# Altium PCB Rcrd Brkr.PcbDoc
Units mil, origin at the board's own origin, x right, y up, seen from the top; angles counter-clockwise.
Board outline 2325 x 3865 mil, 2 copper layers (Top Layer, Bottom Layer); 76 components, 50 nets, 198 pads, 196 vias.
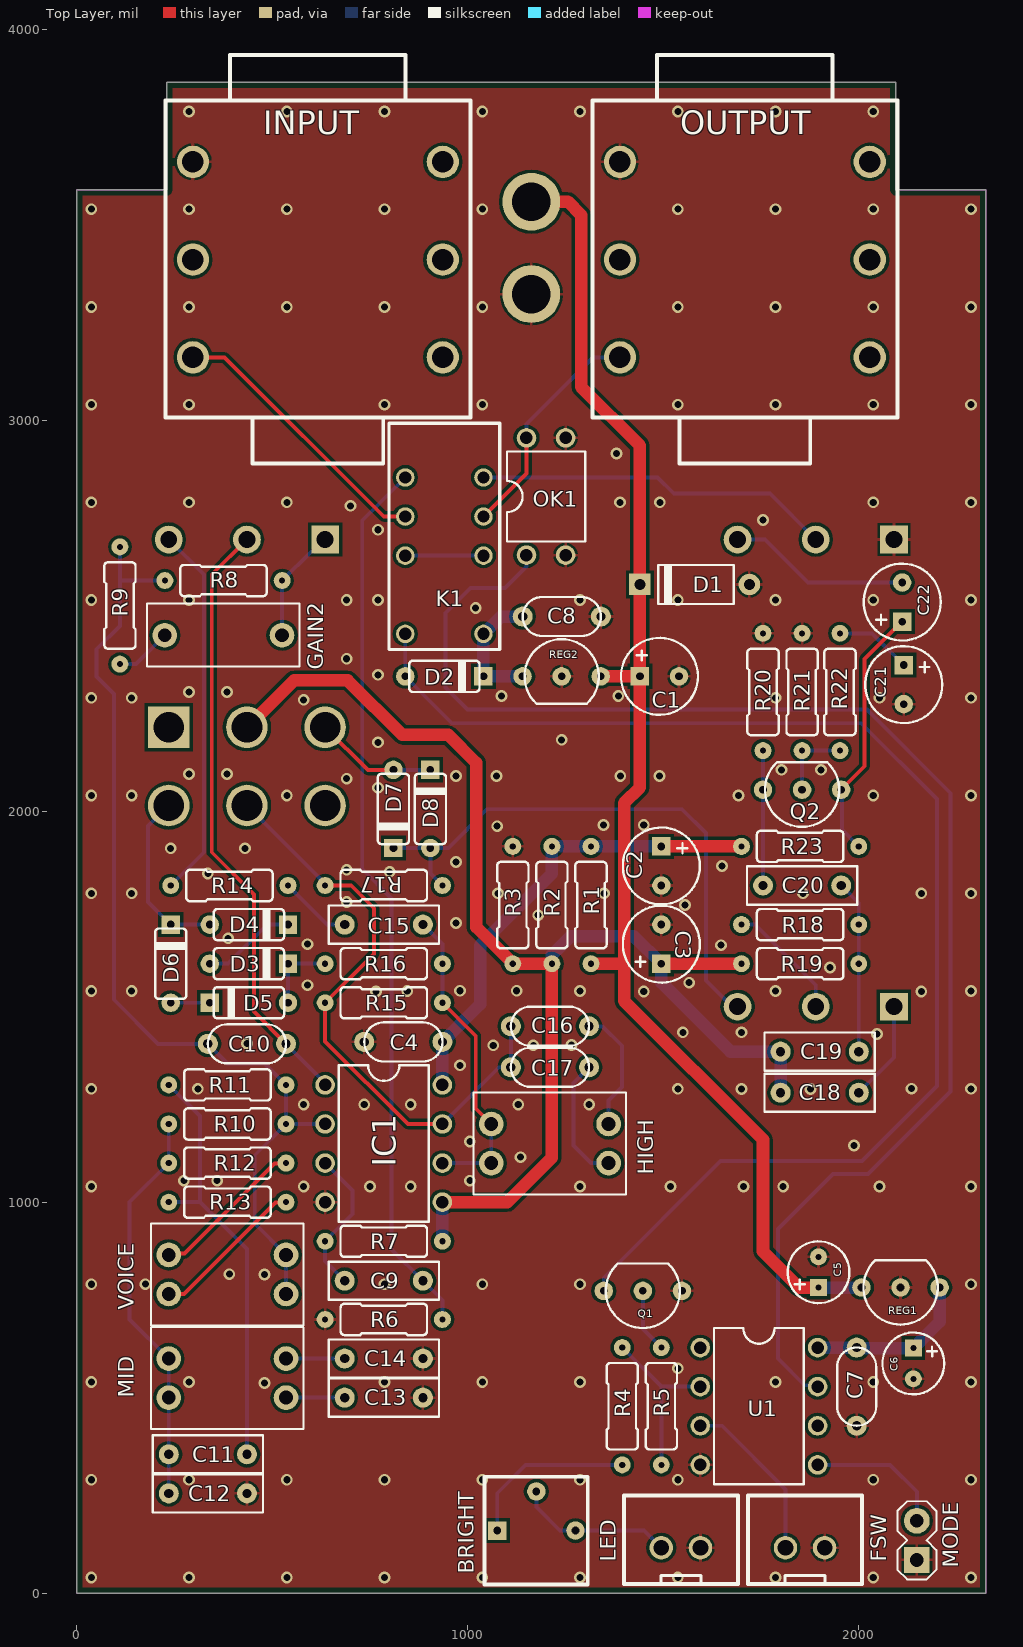
[diagram p0: Top Layer view]
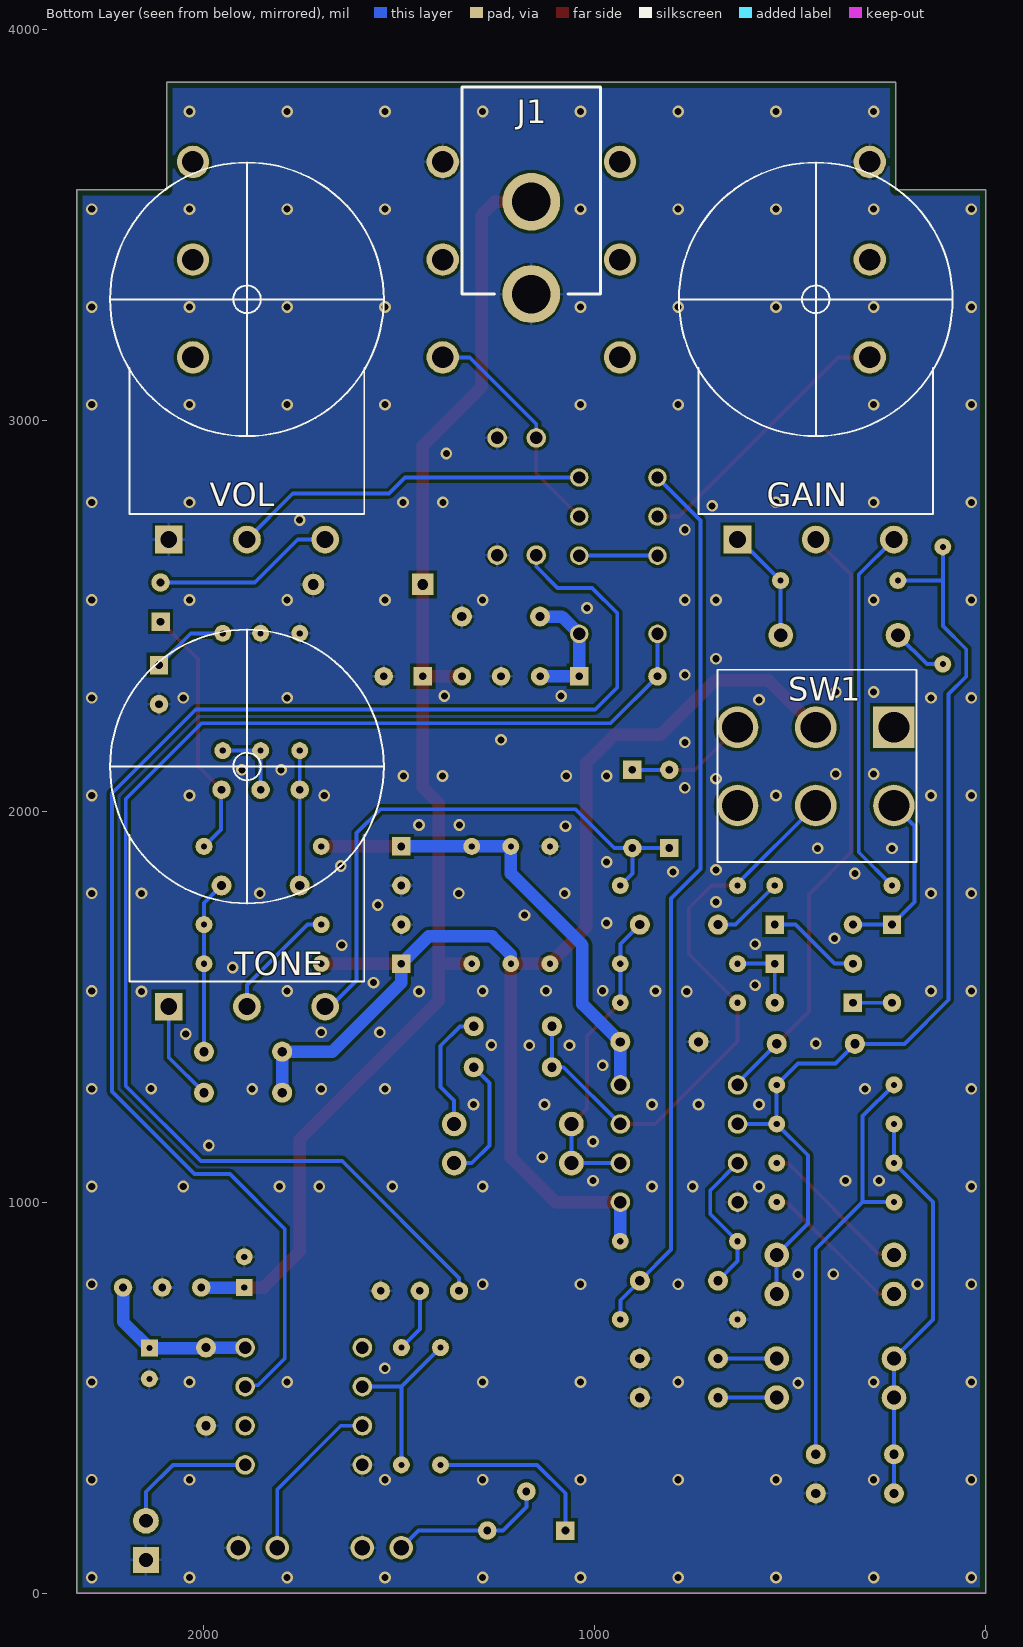
[diagram p1: Bottom Layer view, seen from below]
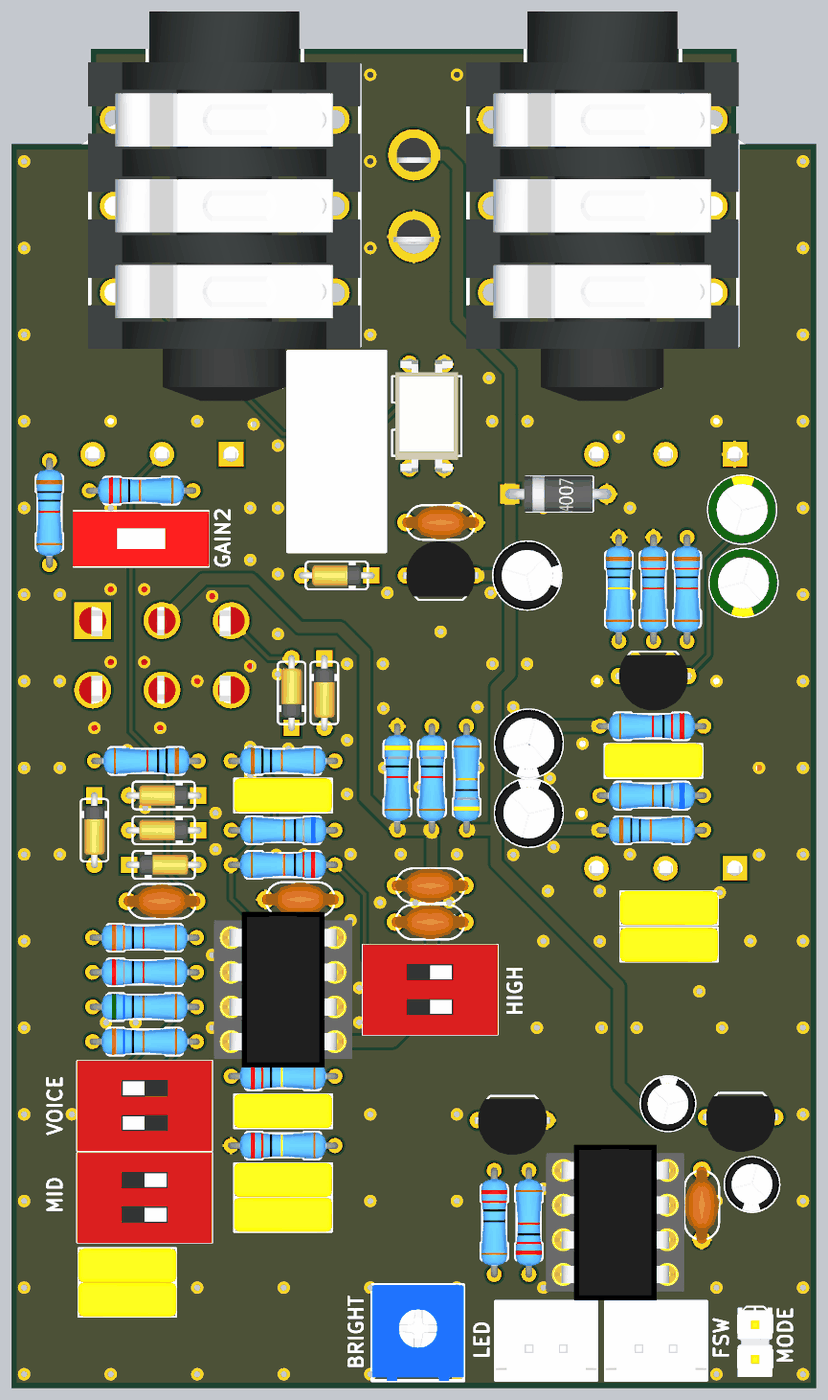
[diagram p2: 3D render of the assembled board from above, using the file's embedded part models]
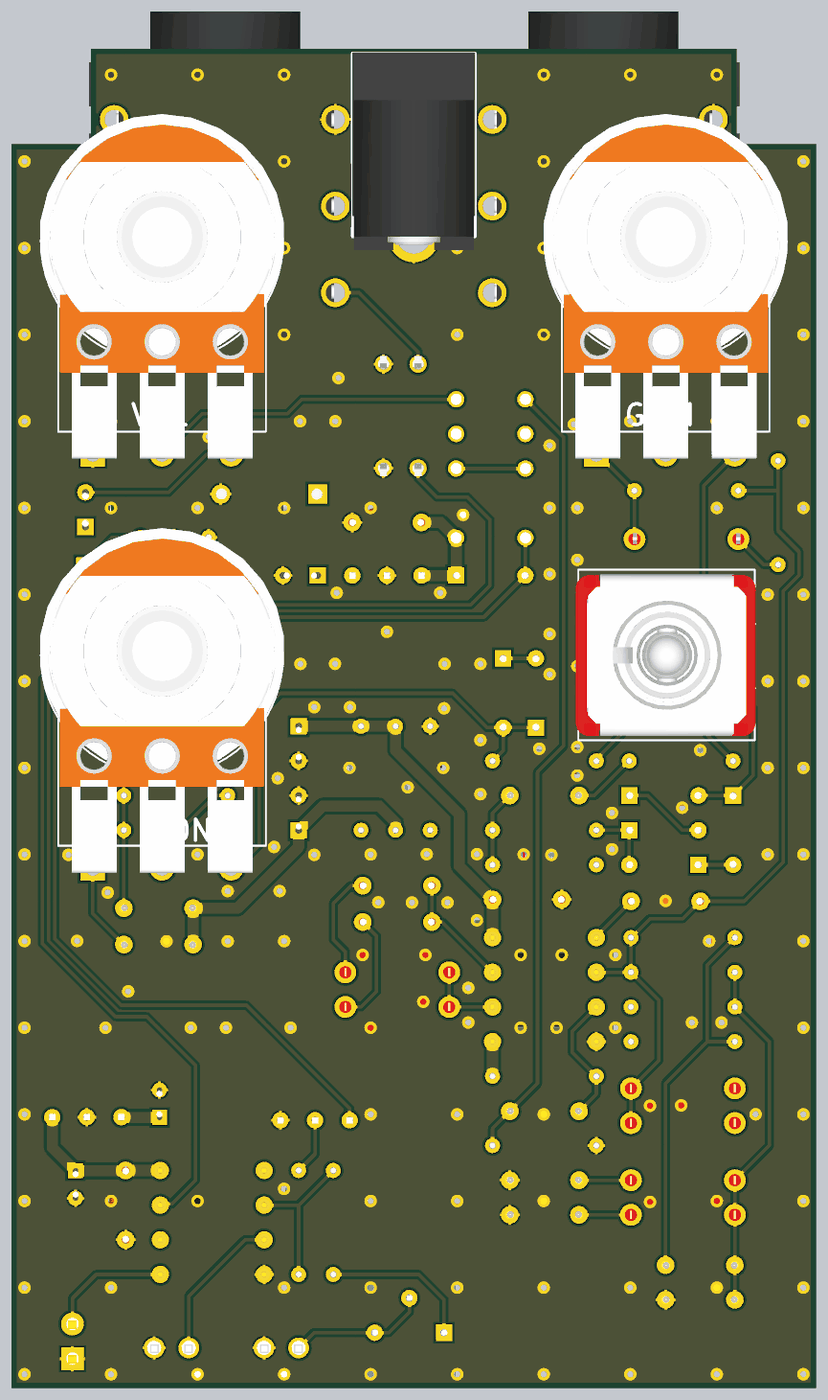
[diagram p3: 3D render of the assembled board from below, using the file's embedded part models]

## Layer stack, top to bottom
Top Solder: solder mask 0.4, Solder Resist, Dk 3.5
Top Layer: signal copper 1.4
Dielectric 1: dielectric 12.6, FR-4, Dk 4.8
Bottom Layer: signal copper 1.4
Bottom Solder: solder mask 0.4, Solder Resist, Dk 3.5

## Board outline
2094.65,3865 2094.65,3590 2325,3590 2325,0 0,0 0,3590 230.3,3590 230.3,3865

## Design rules (kind name [scope] priority, off if disabled: settings)
BoardOutlineClearance BottomOverlay [OnLayer('Bottom Overlay')] p1: gap=0 ignorepadtopadclearanceinfootprint=FALSE
BoardOutlineClearance TopOverlay [OnLayer('Top Overlay')] p2: gap=0 ignorepadtopadclearanceinfootprint=FALSE
BoardOutlineClearance [All] p3: gap=15 ignorepadtopadclearanceinfootprint=FALSE
Clearance [All] p1: gap=8 ignorepadtopadclearanceinfootprint=FALSE except(0: Arc-Text Arc-Hole Track-Text Track-Hole SMDPad-Text SMDPad-Hole THPad-Text THPad-Hole Via-Text Via-Hole Fill-Text Fill-Hole Poly-Text Poly-Hole Region-Text Region-Hole Text-Text Text-Hole)
ComponentClearance [All] p1 off: gap=1 collisioncheckmode=3 verticalgap=1 showdistances=FALSE
DiffPairsRouting [All] p1: maxlimit=393.7 minlimit=6 mostfreqgap=8 toplayer_minwidth=6 toplayer_maxwidth=15 toplayer_prefwidth=8 bottomlayer_minwidth=6 bottomlayer_maxwidth=15 bottomlayer_prefwidth=8 maxuncoupledlength=500
Height [All] p1 off: minheight=0 maxheight=1000 prefheight=500
HoleSize [All] p1: absolutevalues=TRUE maxlimit=265 minlimit=13 maxpercent=80.000 minpercent=20.000
HoleToHoleClearance [All] p1: gap=10 allowstackedmicrovias=FALSE
MinimumAnnularRing [All] p1: minimumring=6
MinimumSolderMaskSliver [All] p1: minsoldermaskwidth=0
PlaneClearance [All] p1: clearance=10
PlaneConnect [All] p1: planeconnectstyle=Direct reliefexpansion=16 reliefentries=4 reliefconductorwidth=6 reliefairgap=6
PolygonConnect Vias [All vs IsVia] p1: connectstyle=Direct reliefconductorwidth=10 reliefentries=4 polygonreliefangle="90 Angle" airgapwidth=10
PolygonConnect [All] p2: connectstyle=Relief reliefconductorwidth=8 reliefentries=4 polygonreliefangle="90 Angle" airgapwidth=6
RoutingCorners [All] p1: cornerstyle=45-Degree minsetback=49.21 maxsetback=49.21
RoutingVias [All] p1: holewidth=15 width=30 viastyle="Through Hole" minholewidth=13 minwidth=27 maxholewidth=100 maxwidth=114
SilkToSilkClearance [All] p1 off: silktosilkclearance=0
SilkToSolderMaskClearance [IsPad] p1 off: minsilkscreentomaskgap=6 clearancetoexposedcopper=TRUE
SolderMaskExpansion [All] p1: expansion=2.95
Width [All] p1: maxlimit=32 minlimit=10 preferedwidth=10
19 further rules are at their usual default settings.

## Components (designator, comment, footprint, x,y, rotation, side; value= is the part's Value field where it differs from the comment)
BRIGHT "10kB" BOURNS_3362P 1175,160 r0 top
C1 "100u" ELEC_050_020 1490.19,2345 r0 top
C2 "100u" ELEC_050_020 1495,1860 r270 top
C3 "47u" ELEC_050_020 1495,1660 r90 top
C4 "100n" CER_050 835,1410 r180 top
C5 "10u" ELEC_040_020 1897,820.11 r90 top
C6 "10u" ELEC_040_020 2139.62,588.06 r270 top
C7 "100n" CER_050 1994.62,528.06 r90 top
C8 "100n" CER_050 1240.32,2498 r0 top
C9 "10n" FILMBOX_SMALL 785,799 r0 top
C10 "47p" CER_050 435,1405 r180 top
C11 "10n" FILMBOX_SMALL 335,355 r180 top
C12 "10n" FILMBOX_SMALL 335,255 r0 top
C13 "100n" FILMBOX_SMALL 785,500 r0 top
C14 "47n" FILMBOX_SMALL 785,600 r0 top
C15 "100n" FILMBOX_SMALL 785,1710 r0 top
C16 "100p" CER_050 1210,1450 r0 top
C17 "470p" CER_050 1210,1345 r0 top
C18 "10n" FILMBOX_SMALL 1900,1280 r180 top
C19 "10n" FILMBOX_SMALL 1900,1385 r0 top
C20 "100n" FILMBOX_SMALL 1855.06,1810 r0 top
C21 "22u" ELEC_LESR_050_020 2115,2323.87 r270 top
C22 "2.2u" ELEC_LESR_050_020 2111,2535 r90 top
D1 "1N4002" DO41_2 1580.19,2580 r0 top
D2 "1N4148" DO35_2 940,2345 r180 top
D3 "1N4148" DO35_2 440,1610 r180 top
D4 "1N4148" DO35_2 440,1710 r180 top
D5 "1N4148" DO35_2 440,1510 r0 top
D6 "1N4148" DO35_2 240,1610 r270 top
D7 "1N4148" DO35_2 809.62,2005.89 r90 top
D8 "1N4148" DO35_2 904.24,2005.89 r270 top
FSW "" JST-XH-02 1862.52,116 r0 top
GAIN "250kB" ALPHA_16mm_BOTTOM 435,2694.37 r180 bottom locked
GAIN2 "DIP" DIP_1WAY 374.73,2500 r90 top
HIGH "DIP" DIP_2WAY 1210,1150 r270 top
IC1 "JRC4580D" DIL8 785,1150 r270 top
INPUT "" STEREO 616.41,3411 r90 top locked
J1 "DC_JACK" DC_JACK 1162.5,3742.15 r0 bottom locked
K1 "" NA5 940,2703.66 r90 top
LED "" JST-XH-02 1545,116 r0 top
MID "DIP" DIP_2WAY 385,550 r270 top
MODE "HEADER_2PINS" HEADER_2PINS 2148.47,135 r270 top
OK1 "TLP222G" DIL4 1200,2805 r0 top
OUTPUT "" STEREO 1708.6,3411 r90 top locked
Q1 "2N3904" TO92 1447.62,773.06 r180 top
Q2 "2N5457" TO92 1855,2055 r180 top
R1 "47R" R_3_47R_025W 1315,1760 r90 top
R2 "47k" R_3_47k_025W 1215,1760 r270 top
R3 "47k" R_3_47k_025W 1115,1760 r270 top
R4 "220R" R_3_220R_025W 1395,478 r270 top
R5 "22k" R_3_22k_025W 1495,478.06 r90 top
R6 "2.2M" R_3_2,2M_025W 785,700 r0 top
R7 "2.2M" R_3_2,2M_025W 785,900 r0 top
R8 "220k" R_3_220k_025W 375.04,2590 r0 top
R9 "10k" R_3_10k_025W 110,2526.22 r270 top
R10 "27k" R_3_27k_025W 385,1200 r0 top
R11 "33k" R_3_33k_025W 385,1300 r0 top
R12 "5.6k" R_3_5.6k_025W 385,1100 r0 top
R13 "3.6k" R_3_3.6k_025W 385,1000 r0 top
R14 "10k" R_3_10k_025W 390,1810 r180 top
R15 "220k" R_3_220k_025W 785,1510 r180 top
R16 "6.8k" R_3_6.8k_025W 785,1610 r180 top
R17 "1k" R_3_1k_025W 785,1810 r0 top
R18 "6.8k" R_3_6.8k_025W 1850,1710 r180 top
R19 "100k" R_3_100k_025W 1850,1610 r0 top
R20 "1M" R_3_1M_025W 1755,2305 r270 top
R21 "12k" R_3_12k_025W 1855,2305 r270 top
R22 "12k" R_3_12k_025W 1951.89,2305 r270 top
R23 "22k" R_3_22k_025W 1850,1910 r180 top
REG1 "LM78L05" TO92 2106.87,781.84 r180 top
REG2 "LM78L05" TO92 1240,2345 r0 top
SW1 "DPDT" DPDT 435,2114.62 r270 bottom locked
TONE "25kB" ALPHA_16mm_BOTTOM 1890,1499.37 r180 bottom locked
U1 "ATTINY85" DIP8 1744.62,478.06 r270 top
VOICE "DIP" DIP_2WAY 385,815 r90 top
VOL "100kA" ALPHA_16mm_BOTTOM 1890,2694.37 r180 bottom locked

## Footprints (in the part's own frame and the unit in brackets; to place one, negate y for a bottom-side part, rotate by r counter-clockwise, add the part's x,y. Pads: shape width x height; smd on the part's side, far side on the other; paste and mask are expansions set on the pad)
ALPHA_16mm_BOTTOM [mil]
  rect 70.87x70.87 hole 43.31: 1(-200,0.63)
  round 70.87 hole 43.31: 2(0,0.63) 3(200,0.63)
  silkscreen extent -350,66 350,965, body extent -354,-12 445,982, height 1067
BOURNS_3362P [mil]
  rect 47.24x47.24 hole 19.69: 1(-99.75,0)
  round 47.24 hole 19.69: 2(0.25,100) 3(100.25,0)
  silkscreen extent -132,-138 132,138, body extent -132,-139 132,138, height 192
CER_050 [mil]
  round 51.18 hole 23.62: 1(-100,0) 2(100,0)
  silkscreen extent -100,-50 100,50, body extent -117,-49 110,66, height 196
DC_JACK [mil]
  round 147.65 hole 98.43: GND(0,183.15) PWR(0,419.37)
  silkscreen extent -177,-110 177,419, body extent -350,-112 177,458, height 433
DIL4 [mil]
  round 50 hole 32: 1(-50,-150) 2(50,-150) 3(50,150) 4(-50,150)
  silkscreen extent -100,-115 100,115, body extent -90,-173 90,173, height 174
DIL8 [mil]
  round 50 hole 32: 1(-150,-150) 2(-50,-150) 3(50,-150) 4(150,-150) 5(150,150) 6(50,150) 7(-50,150) 8(-150,150)
  silkscreen extent -200,-115 200,115, body extent -225,-200 225,200, height 335
DIP8 [mil]
  round 50 hole 32: 1(-150,-150) 2(-50,-150) 3(50,-150) 4(150,-150) 5(150,150) 6(50,150) 7(-50,150) 8(-150,150)
  silkscreen extent -200,-115 200,115, body extent -225,-200 225,200, height 335
DIP_1WAY [mil]
  round 62.99 hole 35.43: A1(-50,150) A2(-50,-150)
  silkscreen extent -130,-195 31,195, body extent -128,-197 29,197, height 259
DIP_2WAY [mil]
  round 62.99 hole 35.43: A1(-50,150) A2(-50,-150) B1(50,150) B2(50,-150)
  silkscreen extent -130,-195 130,195, body extent -131,-195 131,195, height 281
DO35_2 [mil]
  round 47.24 hole 19.69: A(100,0)
  rect 47.24x47.24 hole 19.69: C(-100,0)
  silkscreen extent -90,-40 90,40, body extent -108,-30 108,30, height 60
DO41_2 [mil]
  round 55.12 hole 27.56: A(140,0)
  rect 55.12x55.12 hole 27.56: C(-140,0)
  silkscreen extent -94,-50 100,50, body extent -154,-52 154,52, height 112
DPDT [mm]
  rect 2.7x2.7 hole 2: A1(-2.54,5.08)
  round 2.7 hole 2: A2(-2.54,0) A3(-2.54,-5.08) B1(2.54,5.08) B2(2.54,0) B3(2.54,-5.08)
  silkscreen extent -6.28,-6.4 6.22,6.54, body extent -5.93,-6.59 9.4,6.64, height 32.33
ELEC_040_020 [mil]
  rect 43.31x43.31 hole 15.75: +(-38.8,0)
  round 43.31 hole 15.75: -(40,0)
  silkscreen extent -78,-79 80,79, body extent -79,-79 79,79, height 277
ELEC_050_020 [mil]
  rect 47.24x47.24 hole 19.69: +(-50,0)
  round 47.24 hole 19.69: -(50,0)
  silkscreen extent -98,-98 98,98, body extent -98,-98 98,98, height 277
ELEC_LESR_050_020 [mil]
  rect 47.24x47.24 hole 19.69: +(-50,0)
  round 47.24 hole 19.69: -(50,0)
  silkscreen extent -98,-98 98,98, body extent -98,-98 98,100, height 434
FILMBOX_SMALL [mil]
  round 51.18 hole 23.62: 1(-100,0) 2(100,0)
  silkscreen extent -141,-49 141,49, body extent -142,-48 142,50, height 256
HEADER_2PINS [mil]
  rect 66x66 hole 35.43: 1(50,0)
  round 66 hole 35.43: 2(-50,0)
  silkscreen extent -100,-50 100,50, body extent -102,-50 102,50, height 330
JST-XH-02 [mil]
  round 60 hole 40: 1(-50,0) 2(50,0)
  silkscreen extent -146,-93 146,134, body extent -146,-95 146,131, height 276
NA5 [mil]
  round 47.25 hole 31.5: 1(-250,-100) 3(-50,-100) 4(50,-100) 5(150,-100) 8(150,100) 9(50,100) 10(-50,100) 12(-250,100)
  silkscreen extent -290,-142 289,142, body extent -291,-144 291,144, height 362
R_3_1k_025W [mil]
  round 43.31 hole 15.75: 1(-150,0) 2(150,0)
  silkscreen extent -111,-40 111,40, body extent -160,-38 160,38, height 83
R_3_1M_025W [mil]
  round 43.31 hole 15.75: 1(-150,0) 2(150,0)
  silkscreen extent -111,-40 111,40, body extent -160,-38 160,38, height 83
R_3_2,2M_025W [mil]
  round 43.31 hole 15.75: 1(-150,0) 2(150,0)
  silkscreen extent -111,-40 111,40, body extent -160,-38 160,38, height 83
R_3_3.6k_025W [mil]
  round 43.31 hole 15.75: 1(-150,0) 2(150,0)
  silkscreen extent -111,-40 111,40, body extent -160,-38 160,38, height 83
R_3_5.6k_025W [mil]
  round 43.31 hole 15.75: 1(-150,0) 2(150,0)
  silkscreen extent -111,-40 111,40, body extent -160,-38 160,38, height 83
R_3_6.8k_025W [mil]
  round 43.31 hole 15.75: 1(-150,0) 2(150,0)
  silkscreen extent -111,-40 111,40, body extent -160,-38 160,38, height 83
R_3_10k_025W [mil]
  round 43.31 hole 15.75: 1(-150,0) 2(150,0)
  silkscreen extent -111,-40 111,40, body extent -160,-38 160,38, height 83
R_3_12k_025W [mil]
  round 43.31 hole 15.75: 1(-150,0) 2(150,0)
  silkscreen extent -111,-40 111,40, body extent -160,-38 160,38, height 83
R_3_22k_025W [mil]
  round 43.31 hole 15.75: 1(-150,0) 2(150,0)
  silkscreen extent -111,-40 111,40, body extent -160,-38 160,38, height 83
R_3_27k_025W [mil]
  round 43.31 hole 15.75: 1(-150,0) 2(150,0)
  silkscreen extent -111,-40 111,40, body extent -160,-38 160,38, height 83
R_3_33k_025W [mil]
  round 43.31 hole 15.75: 1(-150,0) 2(150,0)
  silkscreen extent -111,-40 111,40, body extent -160,-38 160,38, height 83
R_3_47k_025W [mil]
  round 43.31 hole 15.75: 1(-150,0) 2(150,0)
  silkscreen extent -111,-40 111,40, body extent -160,-38 160,38, height 83
R_3_47R_025W [mil]
  round 43.31 hole 15.75: 1(-150,0) 2(150,0)
  silkscreen extent -111,-40 111,40, body extent -160,-38 160,38, height 83
R_3_100k_025W [mil]
  round 43.31 hole 15.75: 1(-150,0) 2(150,0)
  silkscreen extent -111,-40 111,40, body extent -160,-38 160,38, height 83
R_3_220k_025W [mil]
  round 43.31 hole 15.75: 1(-150,0) 2(150,0)
  silkscreen extent -111,-40 111,40, body extent -160,-38 160,38, height 83
R_3_220R_025W [mil]
  round 43.31 hole 15.75: 1(-150,0) 2(150,0)
  silkscreen extent -111,-40 111,40, body extent -160,-38 160,38, height 83
STEREO [mil]
  round 82.68 hole 55.12: R(0,319.49) RN(0,-319.49) S(250,319.49) SN(250,-319.49) T(-250,319.49) TN(-250,-319.49)
  silkscreen extent -522,-390 524,390, body extent -562,-392 562,395, height 610
TO92 [mil]
  round 47.24 hole 19.69: 1(100,0) 2(0,0) 3(-100,0)
  silkscreen extent -95,-70 95,95, body extent -109,-61 109,100, height 255

## Part data
BRIGHT: library part TRIM_10kB_3362P, "10k Lin 3362P trimmer", Price=0.1
C1 C2: library part C_ELEC_100u_16V, "100u 16V electrolytic capacitor", Package=Radial, Dimensions=5x8mm, PinSpacing=2mm, Price=0.02
C3: library part ELEC_47u_25V, "47u 25V electrolytic capacitor", Package=Radial, Dimensions=5x8mm, PinSpacing=2mm, Price=0.02
C4 C7 C8: library part CER_100n, "100n MLCC X7R radial capacitor", Package=Radial, PinSpacing=5.08mm, Price=0.02
C5 C6: library part ELEC_10u_50V, "10u 50V electrolytic capacitor", Package=Radial, Dimensions=4x8mm, PinSpacing=2mm, Price=0.02
C9 C11 C12 C18 C19: library part FILMBOX_10n, "10n 100V polyester film box capacitor", Package=Radial, Dimensions=7.2x2.5x6.5mm, PinSpacing=5.08mm, Price=0.05
C10: library part C_CER_47p, "47p MLCC X7R radial capacitor", Package=Radial, PinSpacing=5.08mm, Price=0.01
C13 C20: library part C_FILMBOX_100n, "100n 100V polyester film box capacitor", Package=Radial, Dimensions=7.2x2.5x6.5mm, PinSpacing=5.08mm, Price=0.05
C14: library part C_FILMBOX_47n, "47n 100V polyester film box capacitor", Package=Radial, Dimensions=7.2x2.5x6.5mm, PinSpacing=5.08mm, Price=0.05
C15: library part FILMBOX_100n, "100n 100V polyester film box capacitor", Package=Radial, Dimensions=7.2x2.5x6.5mm, PinSpacing=5.08mm, Price=0.05
C16: library part C_CER_100p, "100p MLCC X7R radial capacitor", Package=Radial, PinSpacing=5.08mm, Price=0.01
C17: library part C_CER_470p, "470p MLCC X7R radial capacitor", Package=Radial, PinSpacing=5.08mm, Price=0.01
C21: library part C_ELEC_LESR_22u_50V, "22u 50V Low ESR ectrolytic capacitor", Package=Radial, Dimensions=5x11mm, PinSpacing=2mm, Price=0.05
C22: library part C_ELEC_LESR_2.2u_50V, "2.2u 50V Low ESR ectrolytic capacitor", Package=Radial, Dimensions=5x11mm, PinSpacing=2mm, Price=0.05
D1: Package=DO-41, PinSpacing=7.62mm, Price=0.01
D2 D3 D4 D5 D6 D7 D8: Package=DO-35, PinSpacing=5.08mm, Price=0.01
FSW LED: library part JST-XH-02, "2 Pins male XH header", Price=0.1
GAIN: library part 250kB_ALPHA_16mm, "250k Lin potentiometer round shaft", Package="PCB Mounted", Dimensions=16mm, Price=0.5
GAIN2: library part SW_DIP_1WAY, "DIP Switch 1 way", Price=0.5
HIGH MID VOICE: library part SW_DIP_2WAY, "DIP Switch 2 way", Price=0.5
IC1: Package=DIP-8, Price=0.5
INPUT OUTPUT: library part STEREO, "6.35mm stereo insulated socket jack PCB mounted", Price=0.5
J1: "DC Power jack 2.1mm barrel", Price=0.05
K1: library part NA5W-K, "NA5W-K", Price=1.1
MODE: "2 Pins male header", Pin spacing=2.54mm, Price=0.01
Q1: Package=TO-92, Price=0.01
Q2: library part Q_2N5457, Package=TO-92, Price=0.2
R1: library part R_3_47R_025W, "47R metal film 1/4W Resistor", PinSpacing=7.62mm, Price=0.01
R2 R3: library part R_3_47k_025W, "47k metal film 1/4W Resistor", PinSpacing=7.62mm, Price=0.01
R4: library part R_3_220R_025W, "220R metal film 1/4W Resistor", PinSpacing=7.62mm, Price=0.01
R5 R23: library part R_3_22k_025W, "22k metal film 1/4W Resistor", PinSpacing=7.62mm, Price=0.01
R6 R7: library part R_3_2.2M_025W, "2.2M metal film 1/4W Resistor", PinSpacing=7.62mm, Price=0.01
R8 R15: library part R_3_220k_025W, "220k metal film 1/4W Resistor", PinSpacing=7.62mm, Price=0.01
R9 R14: library part R_3_10k_025W, "10k metal film 1/4W Resistor", PinSpacing=7.62mm, Price=0.01
R10: library part R_3_27k_025W, "27k metal film 1/4W Resistor", PinSpacing=7.62mm, Price=0.01
R11: library part R_3_33k_025W, "33k metal film 1/4W Resistor", PinSpacing=7.62mm, Price=0.01
R12: library part R_3_5.6k_025W, "5.6k metal film 1/4W Resistor", PinSpacing=7.62mm, Price=0.01
R13: library part R_3_3.6k_025W, "3.6k metal film 1/4W Resistor", PinSpacing=7.62mm, Price=0.01
R16 R18: library part R_3_6.8k_025W, "6.8k metal film 1/4W Resistor", PinSpacing=7.62mm, Price=0.01
R17: library part R_3_1k_025W, "1k metal film 1/4W Resistor", PinSpacing=7.62mm, Price=0.01
R19: library part R_3_100k_025W, "100k metal film 1/4W Resistor", PinSpacing=7.62mm, Price=0.01
R20: library part R_3_1M_025W, "1M metal film 1/4W Resistor", PinSpacing=7.62mm, Price=0.01
R21 R22: library part R_3_12k_025W, "12k metal film 1/4W Resistor", PinSpacing=7.62mm, Price=0.01
REG1 REG2: "78L05", Package=TO-92, Price=0.01
SW1: library part DPDT_ON-OFF-ON, "DPDT toggle switch ON/OFF/ON", Price=0.5
TONE: library part 25kB_ALPHA_16mm, "25k Lin potentiometer round shaft", Package="PCB Mounted", Dimensions=16mm, Price=0.5
U1: "ATTINY85-20PU", Package=DIP-8, Price=1.2
VOL: library part 100kA_ALPHA_16mm, "100k Log potentiometer round shaft", Package="PCB Mounted", Dimensions=16mm, Price=0.5
OK1: Price=0.36

## Via types
v1: diameter 30, hole 18, Top Layer to Bottom Layer, 196 vias

## Nets (pads, with @x,y where several pads share a name; then routed paths per layer and width w, separated by ;. In a path a pad name is that pad's centre, name@x,y a point inside that pad or via, vN(x,y) a via of type N, cw(c..) or ccw(c..) an arc to the next point about the centre after c; other vN are vias at no path point)
+5V: C6.+ C7.2 REG1.3 U1.8 | length 428.3
  Bottom Layer w32: U1.8 C7.2 1995.82,626.86 C6.+ 2206.87,694.11 REG1.3
+9V: C1.+ C5.+ D1.C J1.GND R1.1 REG1.1 REG2.1 | length 3494.2
  Top Layer w32: J1.GND 1256,3559 1290,3525 1290,3085.19 1440.19,2935 D1.C C1.+ ; R1.1 1400,1610 ; REG2.1 C1.+ ; C5.+ 1847.68,781.31 1755,874 1755,1160 1400,1515 1400,1610 ; 1400,1610 1400,2020.71 1440.19,2060.9 C1.+
  Bottom Layer w32: C5.+ 2006.34,781.31 REG1.1
GND: C1.- C2.- C3.- C4.2 C5.- C6.- C7.1 C8.2 C12.2 C13.2 C14.2 C21.- D1.A FSW.2 IC1.4 INPUT.S J1.PWR LED.2 MODE.1 OK1.2 OK1.3 OUTPUT.S Q1.3 R3.1 R6.1 R20.1 R21.1 REG1.2 REG2.2 U1.4 VOL.1
  other v1: 37,40 287,40 537,40 787,40 1037,40 1287,40 1537,40 1787,40 2037,40 2287,40 37,290 287,290 537,290 787,290 1037,290 1287,290 1537,290 2037,290 2287,290 480,537.26 37,540 287,540 787,540 1037,540 1287,540 1787,540 2037,540 2287,540 1537.25,575 37,790 175,790.23 787,790 1037,790 1287,790 2287,790 480,815 390,815.94 37,1040 580,1040 750,1040 853.66,1040 1287,1040 1518.27,1040 1705,1040 1806.61,1040 2052.97,1040 2287,1040 273.48,1055 358.96,1055 1005,1055 1135,1114.96 1987.49,1145 1005,1155 580,1250 735,1250 853.66,1250 1128.95,1250 1310.23,1250 1700,1289.43 1876.75,1289.43 37,1290 309.19,1290 1537,1290 2135,1290.41 2287,1290 980,1350 1065,1401.23 1167.62,1401.23 1265,1401.75 435,1406 2046.57,1430 1550,1434.34 1700,1434.34 765,1538.89 1450,1538.89 2160,1538.89 37,1540 140,1540 845,1539.91 1287,1540 1787,1540 2287,1540 980,1540.81 1125,1540.81 590,1555 1566.06,1561.53 1926.66,1600 1647.5,1657.41 590,1660 386.9,1675 970,1714 1180,1733.96 1555.35,1760 690,1767.89 37,1790 140,1790 1077.27,1790 1348.25,1790 1857.12,1790 2160,1790 2287,1790 335,1840.66 800,1845 690,1850 1650,1859.62 970,1870 240,1905 430,1905 1074.93,1961.73 1346.75,1965 1450,1965 37,2040 140,2040 537,2040 1692.26,2040 2037,2040 2287,2040 770,2060 690,2083.34 970,2090 1073.25,2090 1390,2090 1490,2089.95 287,2095 383.91,2095 1802.6,2105.89 1903.25,2105.89 770,2176.15 1240,2182.75 580,2285 37,2290 140,2290 1787,2290 2052.97,2290 2287,2290 1086.11,2295 1385,2295 287,2305 383.91,2305 770,2349 690,2390 1020,2520 37,2540 287,2540 690,2540 770,2540 1287,2540 1537,2540 1787,2540 2037,2540 2287,2540 770,2720 1755,2745 700,2781.29 37,2790 287,2790 537,2790 1389.11,2790 1491,2790 2037,2790 2287,2790 1380,2915 37,3040 287,3040 787,3040 1037,3040 1537,3040 1787,3040 2037,3040 2287,3040 37,3290 287,3290 537,3290 787,3290 1037,3290 1537,3290 1787,3290 2037,3290 2287,3290 37,3540 287,3540 537,3540 787,3540 1037,3540 1537,3540 1787,3540 2037,3540 2287,3540 287,3790 537,3790 787,3790 1037,3790 1287,3790 1537,3790 1787,3790 2037,3790
INPUT: INPUT.T K1.9 | length 711.8
  Top Layer w10: INPUT.T 377.66,3161 785,2753.66 K1.9
NetBRIGHT_1: BRIGHT.1 R4.2 | length 445.2
  Bottom Layer w10: BRIGHT.1 1075.25,255.32 1147.93,328 R4.2
NetBRIGHT_2: BRIGHT.2 BRIGHT.3 LED.1 | length 403
  Bottom Layer w10: BRIGHT.2 1175.25,219.75 1235,160 BRIGHT.3 1451,160 LED.1
NetC8_1: C8.1 D2.C K1.1 REG2.3 | length 327.3
  Bottom Layer w32: REG2.3 D2.C K1.1 1084.34,2498 C8.1
NetC9_1: C9.1 IC1.3 R7.1 | length 379.7
  Bottom Layer w10: IC1.3 705,1030 705,970 R7.1 635,849 C9.1
NetC10_1: C10.1 GAIN.2 IC1.1 | length 1552.4
  Top Layer w10: GAIN.2 345,2605 345,1895 452.55,1787.45 452.55,1487.45 C10.1
  Bottom Layer w10: C10.1 635,1305 IC1.1
NetC10_2: C10.2 IC1.2 R8.1 R9.1 R10.2 R11.2 VOICE.A2 VOICE.B2 | length 2548.5
  Bottom Layer w10: R9.1 110,2590 ; R8.1 110,2590 ; VOICE.A2 VOICE.B2 455,945 455,1120 R10.2 ; IC1.2 R10.2 ; 110,2590 110,2474.28 50,2414.28 50,2345.04 95.04,2300 95.04,1517.68 207.73,1405 C10.2 385,1355 480,1355 R11.2 R10.2
NetC11_1: C11.1 R11.1 R13.1 | length 1107.8
  Bottom Layer w10: R13.1 315,1000 ; R11.1 315,1220 315,1000 ; C11.1 435,880 315,1000
NetC11_2: C11.2 C12.1 MID.A2 MID.B2 R10.1 R12.1 | length 1027.8
  Bottom Layer w10: C12.1 C11.2 MID.B2 MID.A2 135,700 135,1000 R12.1 R10.1
NetC13_1: C13.1 MID.B1 | length 150
  Bottom Layer w10: MID.B1 C13.1
NetC14_1: C14.1 MID.A1 | length 150
  Bottom Layer w10: MID.A1 C14.1
NetC15_1: C15.1 R14.1 | length 186.4
  Bottom Layer w10: R14.1 640,1710 C15.1
NetC15_2: C15.2 HIGH.A2 HIGH.B2 IC1.6 R15.1 R16.1 | length 807.5
  Top Layer w10: R15.1 1020.16,1424.84 1020.16,1239.84 HIGH.A2
  Bottom Layer w10: C15.2 935,1660 R16.1 R15.1 ; IC1.6 HIGH.B2 HIGH.A2
NetC16_1: C16.1 C17.1 IC1.7 R15.2 R17.1 SW1.B2 | length 1556.3
  Top Layer w10: R17.1 701.75,1810 760,1751.75 760,1635 R15.2 635,1411.46 846.46,1200 IC1.7
  Bottom Layer w10: SW1.B2 635,1814.62 R17.1 ; IC1.7 1080,1345 C17.1 C16.1
NetC16_2: C16.2 HIGH.A1 | length 319.5
  Bottom Layer w10: C16.2 1310.23,1449.77 1344.73,1449.77 1394.5,1400 1394.5,1294.5 1360,1260 HIGH.A1
NetC17_2: C17.2 HIGH.B1 | length 325.2
  Bottom Layer w10: C17.2 1270,1305 1270,1145 1315,1100 HIGH.B1
NetC18_1: C18.1 TONE.1 | length 257.3
  Bottom Layer w10: C18.1 2090,1370 TONE.1
NetC19_2: C19.2 C20.2 R18.1 R19.2 | length 444
  Bottom Layer w10: C20.2 2000,1765.06 R18.1 ; C19.2 R19.2 2000,1709.08 R18.1@2000.92,1710
NetC20_1: C20.1 Q2.1 R20.2 | length 345
  Bottom Layer w10: R20.2 Q2.1 1755,1810.06 C20.1
NetC21_+: C21.+ R22.1 | length 196.7
  Bottom Layer w10: R22.1 2033.87,2455 C21.+
NetC22_+: C22.+ Q2.3 R23.1 | length 657.5
  Top Layer w10: Q2.3 2014.96,2114.96 2014.96,2388.96 C22.+
  Bottom Layer w10: Q2.3@1956.89,2055 1956.89,1953.11 R23.1
NetC22_-: C22.- VOL.3 | length 466.6
  Bottom Layer w10: VOL.3 1760,2695 1870,2585 C22.-
NetD2_A: D2.A K1.12 Q1.1 | length 3421.7
  Bottom Layer w10: K1.12 D2.A 960,2225 2005.95,2225 2200,2030.95 2200,1296.94 2008.06,1105 1646.17,1105 1347.62,806.45 Q1.1
NetD3_A: D3.A D4.C | length 241.4
  Bottom Layer w10: D3.A 386.9,1610 486.9,1710 D4.C
NetD3_C: D3.C D5.A R16.2 | length 195
  Bottom Layer w10: D5.A D3.C R16.2
NetD4_A: D4.A D6.C SW1.B1 | length 450.5
  Bottom Layer w10: SW1.B1 182.11,1961.73 182.11,1767.89 D6.C D4.A
NetD5_C: D5.C D6.A | length 100
  Bottom Layer w10: D6.A D5.C
NetD7_A: D7.A D8.C SW1.A3 | length 315
  Top Layer w10: SW1.A3 744.62,2105 808.73,2105 D7.A
  Bottom Layer w10: D7.A D8.C
NetD7_C: D7.C D8.A R17.2 TONE.3 | length 1460.1
  Bottom Layer w10: D7.C D8.A ; R17.2 904.24,1840.76 D8.A ; TONE.3 1676.19,1500 1609.28,1566.91 1609.28,1943.93 1548.22,2005 1049.52,2005 950.41,1905.89 D8.A
NetGAIN2_A1: GAIN2.A1 R9.2 | length 145.3
  Bottom Layer w10: R9.2 150.95,2376.22 GAIN2.A1
NetGAIN2_A2: GAIN2.A2 GAIN.1 R8.2 | length 293.6
  Bottom Layer w10: GAIN2.A2 524.73,2589.69 R8.2 599.61,2664.57 604.57,2664.57 GAIN.1
NetGAIN_3: GAIN.3 R14.2 | length 957.5
  Bottom Layer w10: GAIN.3 325,2605 325,1895 R14.2
NetK1_3: K1.3 K1.10 | length 200
  Bottom Layer w10: K1.10 K1.3
NetQ1_2: Q1.2 R5.2 | length 164.6
  Bottom Layer w10: Q1.2 1447.62,675.44 R5.2
NetQ2_2: Q2.2 R21.2 R22.2 | length 196.9
  Bottom Layer w10: Q2.2 R21.2 R22.2
NetR12_2: R12.2 VOICE.B1 | length 397.3
  Top Layer w10: VOICE.B1 238.99,868.99 275.64,868.99 505.09,1098.45 533.45,1098.45 R12.2
NetR13_2: R13.2 VOICE.A1 | length 397.3
  Top Layer w10: VOICE.A1 274,765 508.11,999.11 534.11,999.11 R13.2
NetR18_2: R18.2 TONE.2 | length 308.3
  Bottom Layer w10: R18.2@1700.92,1710 1735,1710 1890,1555 TONE.2
OUTPUT: K1.4 OK1.4 OUTPUT.T | length 592.4
  Top Layer w10: K1.4 1150,2863.66 OK1.4
  Bottom Layer w10: OK1.4 1150,2991 1320,3161 OUTPUT.T
PB0: MODE.2 U1.5 | length 356.6
  Bottom Layer w10: U1.5 2079.68,328.06 2148.47,259.27 MODE.2
PB2: OK1.1 U1.7 | length 3693.1
  Bottom Layer w10: OK1.1 1150,2625.84 1095.4,2571.24 1007.14,2571.24 942.74,2506.84 942.74,2316.42 999.16,2260 2020.89,2260 2235,2045.89 2235,1283.17 2023.66,1071.83 1933.67,1071.83 1793.35,931.51 1793.35,599.89 1861.62,531.63 1891.05,531.63 U1.7
PB3: R4.1 R5.1 U1.2 | length 441
  Bottom Layer w10: R4.1 1495,528 ; R5.1 1495,528 ; U1.2 1594.56,528 1495,528
PB4: FSW.1 U1.3 | length 434.8
  Bottom Layer w10: U1.3 1650,428.06 1812.52,265.54 FSW.1
RETURN: K1.5 VOL.2 | length 915.7
  Bottom Layer w10: K1.5 1485.3,2853.66 1526.75,2812.22 1588.13,2812.22 1772.78,2812.22 VOL.2
SEND: C9.2 K1.8 R6.2 | length 2284.1
  Bottom Layer w10: K1.8 730,2743.66 730,1852.27 805,1777.27 805,879 C9.2 935,749 R6.2
Vb: C3.+ C18.2 C19.1 IC1.5 R2.2 R3.2 R7.2 R19.1 SW1.A2 | length 3387.1
  Top Layer w32: SW1.A2 555.38,2335 692.41,2335 832.41,2195 950,2195 1021.52,2123.48 1021.52,1703.48 R3.2 R2.2 1215,1113.89 1101.11,1000 IC1.5 ; C3.+ R19.1
  Bottom Layer w32: R7.2 IC1.5 ; R2.2 1215,1632.27 1262.73,1680 1425,1680 C3.+ 1495,1561.53 1671.53,1385 C19.1 C18.2
Vr: C2.+ C4.1 IC1.8 R1.2 R2.1 R23.2 | length 1211
  Top Layer w32: C2.+ R23.2
  Bottom Layer w32: IC1.8 C4.1 1031.74,1506.74 1031.74,1657.41 1215,1840.66 R2.1 R1.2 C2.+
pads on no net: INPUT.R INPUT.RN INPUT.SN INPUT.TN OUTPUT.R OUTPUT.RN OUTPUT.SN OUTPUT.TN SW1.A1 SW1.B3 U1.1 U1.6

## Polygon pours and split planes (outlines as drawn)
GND on Top Layer "GND_L01_P010" (solid, pour order 10): 0,0 2325,0 2325,3590 2094.65,3590 2094.65,3865 230.3,3865 230.3,3590 0,3590
GND on Bottom Layer "GND_L02_P008" (solid, pour order 8): 0,0 2325,0 2325,3585 2330,3590 2094.65,3590 2094.65,3865 230.3,3865 230.3,3590 0,3590

## Keep-outs
Keep-Out Layer:
  lines w1: 586.25,0 0,0 0,3590 230.3,3590 230.3,3865 2094.7,3865 2094.7,3590 2325,3590 2325,0 1748.75,0 ; 587.25,0 1749.75,0